# KiCad board lumpen.kicad_pcb (continued)
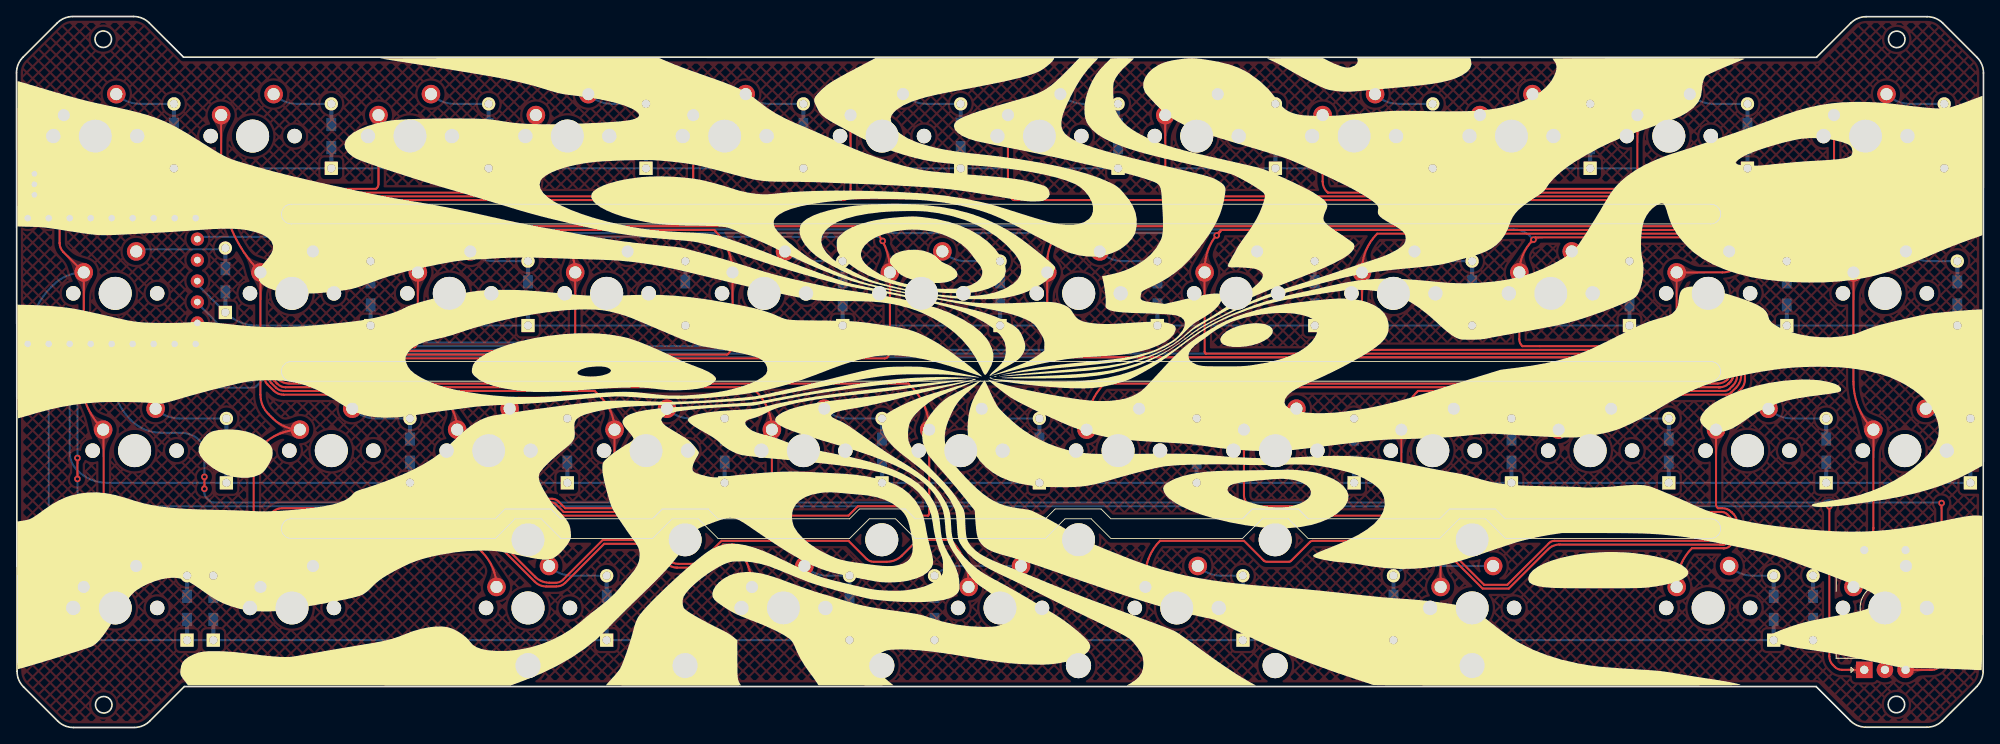
[diagram p0: board, top side]
## Routing (per net, layer and track width the routed paths; a pad name or vN(x,y) marks a point on that pad's centre or on a via; arc(x,y) is an arc through that point) (continued)
COL9: length 309.6
  Top w0.25: 204.1,59.36 204.11,59.35 206.45,59.35 arc(207.14,59.49) 207.72,59.88 208.29,60.44 arc(208.62,60.94) 208.74,61.53 208.74,62.68 arc(208.65,63.13) 208.4,63.51 207.01,64.89 arc(206.64,65.15) 206.19,65.23 177.48,65.23 177.43,65.28 arc(177.24,65.56) 177.17,65.89 MX10.1 ; 204.1,59.36 183.91,59.36 183.54,59 ; 204.1,59.36 206.55,59.36 ; 206.16,46.19 184.41,46.18 182.3,46.18 182.25,46.23 arc(182.02,46.58) 181.94,47 MX22.1 arc(182.35,57.22) 183.54,59 ; v1(183.65,59.08) 183.58,59.01 arc(183.56,59) 183.54,59 ; MX34.1 arc(187.13,38.23) 188.35,40.05 188.6,40.31 206.93,40.31 arc(207.3,40.38) 207.6,40.59 208.17,41.15 arc(208.63,41.85) 208.8,42.68 208.8,43.49 arc(208.67,44.15) 208.29,44.71 208.16,44.84 208.16,44.85 207.34,45.67 arc(206.76,46.06) 206.08,46.19
  Bottom w0.25: v1(183.65,59.08) 183.23,59.5 arc(182.32,60.11) 181.24,60.33 31.56,60.33 arc(31.39,60.36) 31.25,60.45 27.26,64.45 arc(27.18,64.5) 27.09,64.52 19.49,64.52 arc(19.33,64.49) 19.19,64.39 arc(19.09,64.25) 19.06,64.09 19.06,61.89 arc(19.08,61.79) RZ1.16
COL10: length 285.3
  Top w0.25: MX44.1 200.99,17.26 arc(201.47,19.67) 202.83,21.71 206.64,21.71 206.64,21.71 206.78,21.71 arc(207.11,21.77) 207.39,21.96 207.91,22.48 arc(208.2,22.91) 208.3,23.42 208.3,24.78 arc(208.19,25.37) 207.86,25.86 207.64,26.08 ; 207.64,26.08 207.62,26.1 arc(207.11,26.44) 206.51,26.56 205.99,26.56 205.88,26.67 arc(205.78,26.81) 205.75,26.98 MX35.1 205.75,37.72 arc(205.94,38.66) 206.47,39.46 206.5,39.48 arc(206.79,39.68) 207.15,39.75 arc(207.5,39.82) 207.8,40.02 208.8,41.02 arc(209.13,41.52) 209.25,42.11 209.25,43.87 arc(209.15,44.36) 208.87,44.78 207.53,46.12 arc(206.95,46.51) 206.27,46.64 201.27,46.64 201.18,46.74 arc(201.04,46.95) 200.99,47.2 MX23.1 206.52,55.12 arc(207.69,55.35) 208.67,56.01 arc(209.05,56.59) 209.19,57.26 209.19,62.73 arc(209.07,63.32) 208.74,63.81 207.14,65.41 arc(206.84,65.61) 206.49,65.68 196.46,65.68 196.35,65.79 arc(196.26,65.93) 196.22,66.1 MX11.1 ; 207.64,26.08 arc(207.62,26.09) 207.6,26.1
  Bottom w0.25: v1(201.05,46.91) 199.66,45.52 arc(198.9,45.01) 198,44.83 32.75,44.83 arc(32.54,44.79) 32.36,44.67 28.97,41.28 arc(28.82,41.18) 28.66,41.15 14.59,41.15 arc(14.26,41.22) 13.98,41.41 arc(13.89,41.55) 13.85,41.71 13.85,45.95 arc(13.91,46.22) RZ1.6
COL11: length 267.8
  Top w0.25: MX12.1 220.04,60.79 arc(220.65,57.72) MX24.1 222.39,41.9 arc(223.01,38.74) MX36.1 224.8,24.14 arc(224.51,22.7) SW1.S2 223.7,20.18 arc(223.36,18.47) MX45.1
  Bottom w0.25: RZ1.17 arc(16.63,61.74) 16.65,61.8 16.65,64.85 arc(16.68,65.01) 16.77,65.15 arc(17.05,65.34) 17.39,65.41 26.6,65.41 arc(27.21,65.29) 27.73,64.94 31.66,61.01 arc(31.92,60.84) 32.23,60.78 201.11,60.78 arc(201.11,60.78) 201.11,60.78 219.93,60.78 arc(220.02,60.76) v1(220.1,60.71)
RGB: length 9.3
  Bottom w0.25: J1.2 5.84,65.79 arc(6.67,65.62) 7.38,65.15 7.67,64.86 arc(8.64,63.41) RZ1.20
Rotary_A: length 254.7
  Top w0.25: v1(7.38,30.1) v1(7.38,32.64) ; v1(219.47,26.8) 219.47,8.62 arc(219.58,8.05) 219.9,7.57 220.14,7.33 arc(220.53,7.07) 220.98,6.98 SW1.A
  Bottom w0.25: v1(7.38,32.64) 7.38,42.58 arc(7.79,44.67) RZ1.4 ; v1(219.47,26.8) 9.42,26.8 arc(8.59,26.97) 7.88,27.44 arc(7.51,28) 7.38,28.66 v1(7.38,30.1)
Rotary_B: length 260.5
  Top w0.25: v1(233.05,27.18) 233.05,7.98 arc(232.99,7.65) 232.8,7.37 arc(232.37,7.08) 231.86,6.98 231.64,6.98 ; SW1.B 231.64,6.98 ; v1(22.74,30.36) v1(22.74,28.91) ; 231.64,6.98 arc(231.65,6.98) 231.66,6.99
  Bottom w0.25: v1(22.74,30.36) 22.74,33.27 arc(22.58,34.1) 22.11,34.8 arc(21.12,35.46) 19.96,35.69 17.53,35.69 arc(15.54,36.09) 13.85,37.21 arc(12.13,39.8) 11.52,42.84 RZ1.5 ; v1(22.74,28.91) 22.74,28.43 arc(22.81,28.1) 23,27.82 23.38,27.43 arc(23.58,27.3) 23.82,27.25 218.77,27.25 218.83,27.31 arc(219.07,27.47) 219.35,27.53 219.49,27.53 arc(219.86,27.45) 220.17,27.24 232.91,27.24 arc(232.99,27.23) v1(233.05,27.18)
ROW0: length 228.9
  Bottom w0.25: RZ1.19 11.52,66.24 arc(11.66,66.93) 12.05,67.52 arc(12.29,67.68) 12.57,67.73 D1.1 211.15,67.73 ; D34.1 D43.1
ROW1: length 215.3
  Bottom w0.25: D44.1 D39.1 D7.1 29.11,48.68 arc(27.04,49.09) D2.1 22.19,53.37 arc(21.97,53.69) RZ1.12
ROW2: length 245.2
  Bottom w0.25: D45.1 D40.1 D3.1 11,29.63 arc(9.02,30.02) 7.35,31.14 7.34,31.15 arc(6.68,32.15) 6.44,33.32 RZ1.3
ROW3: length 249.3
  Bottom w0.25: 214.32,10.58 D9.1 8.43,10.58 arc(6.48,10.97) 4.84,12.07 arc(4.14,13.1) 3.9,14.32 RZ1.2 ; D41.1 D46.1
Net-(D6-Pad2): length 7.3
  Bottom w0.25: D6.2 33.97,75.53 arc(32.43,75.84) MX2.2
Net-(D7-Pad2): length 7.3
  Bottom w0.25: D7.2 38.74,56.48 arc(37.19,56.79) MX14.2
Net-(D8-Pad2): length 7.3
  Bottom w0.25: D8.2 43.5,37.43 arc(41.96,37.74) MX26.2
Net-(D9-Pad2): length 12.4
  Bottom w0.25: MX38.2 26.67,19.56 arc(25.13,19.25) D9.2
Net-(D13-Pad2): length 7.3
  Bottom w0.25: D13.2 72.07,75.53 arc(70.53,75.84) MX4.2
Net-(D14-Pad2): length 7.3
  Bottom w0.25: D14.2 76.84,56.48 arc(75.29,56.79) MX16.2
Net-(D15-Pad2): length 7.3
  Bottom w0.25: D15.2 81.6,37.43 arc(80.06,37.74) MX28.2
Net-(D20-Pad2): length 5.8
  Bottom w0.25: D20.2 98.24,18.38 arc(96.69,18.69) MX40.2
Net-(D21-Pad2): length 7.3
  Bottom w0.25: D21.2 110.17,75.53 arc(108.63,75.84) 107.32,76.71
Net-(D22-Pad2): length 7.3
  Bottom w0.25: D22.2 114.94,56.48 arc(113.39,56.79) MX18.2
Net-(D23-Pad2): length 7.3
  Bottom w0.25: D23.2 119.7,37.43 arc(118.16,37.74) MX30.2
Net-(D24-Pad2): length 10.8
  Bottom w0.25: MX41.2 113.98,19.56 arc(112.44,19.25) D24.2
Net-(D28-Pad2): length 7.3
  Bottom w0.25: D28.2 148.27,75.53 arc(146.73,75.84) MX8.2
Net-(D29-Pad2): length 7.3
  Bottom w0.25: D29.2 153.04,56.48 arc(151.49,56.79) MX20.2
Net-(D30-Pad2): length 7.3
  Bottom w0.25: D30.2 157.8,37.43 arc(156.26,37.74) MX32.2
Net-(D35-Pad2): length 12.4
  Bottom w0.25: MX43.2 169.55,19.56 arc(168,19.25) D35.2
Net-(D36-Pad2): length 7.3
  Bottom w0.25: D36.2 186.37,75.53 arc(184.83,75.84) MX10.2
Net-(D37-Pad2): length 7.3
  Bottom w0.25: D37.2 191.14,56.48 arc(189.59,56.79) MX22.2
Net-(D38-Pad2): length 7.3
  Bottom w0.25: D38.2 195.9,37.43 arc(194.36,37.74) MX34.2
Net-(D43-Pad2): length 7.3
  Bottom w0.25: D43.2 229.24,75.53 arc(227.69,75.84) MX12.2
Net-(D44-Pad2): length 6.5
  Bottom w0.25: D44.2 231.59,56.48 arc(230.04,56.79) MX24.2
Net-(D45-Pad2): length 5.7
  Bottom w0.25: D45.2 234,37.43 arc(232.46,37.74) MX36.2
Net-(D46-Pad2): length 13.5
  Bottom w0.25: SW1.S1 228.7,19.66 arc(228.71,19.61) MX45.2 220.35,19.56 arc(218.8,19.25) D46.2
Net-(MX1-Pad2): length 7.3
  Bottom w0.25: D1.2 14.92,75.53 arc(13.38,75.84) MX1.2
Net-(MX3-Pad2): length 7.3
  Bottom w0.25: D5.2 53.02,75.53 arc(51.48,75.84) MX3.2
Net-(MX5-Pad2): length 7.3
  Bottom w0.25: D16.2 91.12,75.53 arc(89.58,75.84) MX5.2
Net-(MX7-Pad2): length 7.3
  Bottom w0.25: D19.2 129.22,75.53 arc(127.68,75.84) MX7.2
Net-(MX9-Pad2): length 7.3
  Bottom w0.25: D31.2 167.32,75.53 arc(165.78,75.84) MX9.2
Net-(MX11-Pad2): length 7.3
  Bottom w0.25: D34.2 205.42,75.53 arc(203.88,75.84) 202.57,76.71
Net-(MX13-Pad2): length 11.3
  Bottom w0.25: 14.76,57.93 MX13.2 arc(14.77,57.85) 15.1,57.92 24.91,57.92 arc(25.11,57.96) D2.2
Net-(MX15-Pad2): length 7.3
  Bottom w0.25: D10.2 57.79,56.48 arc(56.24,56.79) MX15.2
Net-(MX17-Pad2): length 7.3
  Bottom w0.25: D17.2 95.89,56.48 arc(94.34,56.79) MX17.2
Net-(MX19-Pad2): length 7.3
  Bottom w0.25: D25.2 133.99,56.48 arc(132.44,56.79) MX19.2
Net-(MX21-Pad2): length 7.3
  Bottom w0.25: D32.2 172.09,56.48 arc(170.54,56.79) MX21.2
Net-(MX23-Pad2): length 7.3
  Bottom w0.25: D39.2 210.19,56.48 arc(208.64,56.79) MX23.2
Net-(MX25-Pad2): length 8.9
  Bottom w0.25: D3.2 19.69,37.43 arc(18.14,37.74) MX25.2
Net-(MX27-Pad2): length 7.3
  Bottom w0.25: D11.2 62.55,37.43 arc(61.01,37.74) MX27.2
Net-(MX29-Pad2): length 7.3
  Bottom w0.25: D18.2 100.65,37.43 arc(99.11,37.74) MX29.2
Net-(MX31-Pad2): length 7.3
  Bottom w0.25: D26.2 138.75,37.43 arc(137.21,37.74) MX31.2
Net-(MX33-Pad2): length 7.3
  Bottom w0.25: D33.2 176.85,37.43 arc(175.31,37.74) MX33.2
Net-(MX35-Pad2): length 7.3
  Bottom w0.25: D40.2 214.95,37.43 arc(213.41,37.74) MX35.2
Net-(MX37-Pad2): length 6.5
  Bottom w0.25: D4.2 17.34,18.38 arc(15.79,18.69) MX37.2
Net-(MX39-Pad2): length 7.3
  Bottom w0.25: D12.2 67.31,18.38 arc(65.77,18.69) MX39.2
Net-(MX42-Pad2): length 5.8
  Bottom w0.25: D27.2 145.86,18.38 arc(144.32,18.69) MX42.2
Net-(MX44-Pad2): length 5.7
  Bottom w0.25: D41.2 210.19,18.38 arc(208.64,18.69) MX44.2

## Copper pours and planes (outline as drawn; the poured copper is in the pictures)
+5V on Bottom: 1.36,63.4 1.29,63.2 1.23,63.03 1.16,62.9 1.1,62.78 1.03,62.67 0.88,62.46 0.81,62.35 0.73,62.21 0.64,62.04 1.36,61.29 2.08,62.04 2,62.19 1.91,62.32 1.82,62.44 1.74,62.54 1.67,62.64 1.61,62.75 1.57,62.86 1.55,62.99 1.56,63.14 1.6,63.33
+5V on Bottom: 1.56,63.2 1.58,63.28 1.61,63.36 1.63,63.43 1.66,63.49 1.68,63.55 1.71,63.6 1.74,63.65 1.77,63.69 1.81,63.73 1.85,63.77 1.89,63.8 1.93,63.83 1.97,63.86 2.02,63.89 2.07,63.92 2.37,64.06 2.33,64.71 1.68,64.64 1.32,63.26
+5V on Bottom: 1.71,64.15 1.62,64.02 1.54,63.89 1.48,63.77 1.42,63.66 1.37,63.56 1.32,63.46 1.28,63.36 1.24,63.27 1.11,62.93 1.07,62.85 1.04,62.76 1,62.67 0.95,62.57 0.9,62.47 0.84,62.37 0.77,62.25 0.69,62.13 1.36,61.29 2.08,62.04 2.03,62.16 1.87,62.47 1.82,62.57 1.78,62.66 1.74,62.75 1.7,62.84 1.68,62.93 1.65,63.01 1.64,63.1 1.63,63.19 1.63,63.28 1.64,63.37 1.66,63.47 1.69,63.57 1.73,63.67 1.78,63.78 1.84,63.89 1.92,64.02
GND on Top: 226.32,8.81 226.35,8.98 226.41,8.92 226.51,8.69 226.63,8.34 226.76,7.94 226.89,7.53 227.01,7.17 227.11,6.92 227.17,6.84 227.2,6.98 226.2,6.48 227.1,7.42 226.86,7.91 226.73,8.18 226.59,8.45 226.46,8.69 226.34,8.89 226.23,9.02 226.15,9.06 226.09,8.99 226.07,8.81
GND on Top: 3.08,66.28 3,66.39 2.93,66.49 2.87,66.58 2.83,66.67 2.8,66.74 2.77,66.82 2.74,66.91 2.68,67.1 2.64,67.22 1.99,67.24 2,66.59 2.12,66.55 2.22,66.52 2.32,66.5 2.4,66.48 2.48,66.45 2.56,66.42 2.64,66.37 2.71,66.31 2.8,66.23 2.88,66.12
GND on Top: 3.37,65.85 2.82,66.77 2.79,66.83 2.76,66.9 2.73,66.97 2.7,67.05 2.67,67.13 2.64,67.22 1.99,67.24 2,66.59 2.38,66.45 2.44,66.43 2.5,66.4 2.56,66.37 2.61,66.34 2.66,66.31 2.71,66.28 2.76,66.24 2.81,66.19 2.86,66.14 2.9,66.09 2.95,66.03 3,65.97 3.05,65.89 3.1,65.81 3.16,65.72
GND on Top, Bottom: 244.24,-5.86 -7.09,-2.05 -5.69,88.75 245.51,89.39
GND on Bottom: 3.69,63.29 3.69,63.1 3.66,62.94 3.62,62.8 3.56,62.69 3.5,62.58 3.43,62.48 3.36,62.38 3.29,62.26 3.22,62.13 3.15,61.97 3.94,61.3 4.58,62.11 4.49,62.25 4.4,62.37 4.31,62.46 4.22,62.55 4.15,62.64 4.08,62.73 4.02,62.84 3.98,62.96 3.95,63.11 3.94,63.29
GND on Bottom: 3.69,63.76 3.69,63.64 3.69,63.52 3.69,63.42 3.68,63.32 3.67,63.23 3.66,63.14 3.65,63.05 3.64,62.97 3.62,62.9 3.6,62.83 3.58,62.76 3.56,62.69 3.53,62.62 3.5,62.56 3.47,62.49 3.43,62.43 3.39,62.37 3.35,62.3 3.3,62.23 3.26,62.16 3.94,61.3 4.44,62.29 4.38,62.34 4.33,62.4 4.28,62.45 4.23,62.5 4.19,62.56 4.16,62.62 4.12,62.68 4.09,62.74 4.07,62.8 4.04,62.87 4.02,62.94 4,63.01 3.99,63.09 3.98,63.17 3.97,63.25 3.96,63.34 3.95,63.44 3.95,63.54 3.95,63.64 3.94,63.76
COL0 on Top: 5.85,70.8 5.85,71.02 5.86,71.22 5.87,71.4 5.89,71.56 5.91,71.72 5.93,71.86 5.96,71.99 5.99,72.12 6.03,72.24 6.07,72.35 6.12,72.47 6.17,72.58 6.23,72.7 6.29,72.81 6.49,73.2 6.57,73.35 6.65,73.51 6.74,73.68 5.72,74.73 4.71,73.68 4.8,73.51 4.88,73.35 4.96,73.2 5.16,72.81 5.22,72.7 5.28,72.58 5.33,72.47 5.37,72.35 5.42,72.24 5.45,72.12 5.49,71.99 5.52,71.86 5.54,71.72 5.56,71.56 5.58,71.4 5.59,71.22 5.6,71.02 5.6,70.8
COL0 on Top: 9.39,18.87 9.25,18.66 9.11,18.51 8.96,18.4 8.81,18.33 8.66,18.28 8.49,18.25 8.31,18.22 8.12,18.19 7.92,18.14 7.7,18.06 7.77,16.6 9.22,16.73 9.28,16.97 9.31,17.19 9.32,17.38 9.32,17.56 9.31,17.73 9.32,17.9 9.34,18.08 9.39,18.28 9.48,18.5 9.6,18.75
COL0 on Top: 10.68,33.82 10.69,34.1 10.73,34.32 10.79,34.5 10.88,34.66 10.97,34.8 11.08,34.93 11.19,35.07 11.31,35.23 11.42,35.42 11.53,35.64 10.46,36.63 9.5,35.52 9.63,35.32 9.76,35.15 9.89,35.01 10.01,34.88 10.12,34.76 10.22,34.62 10.31,34.48 10.37,34.3 10.41,34.09 10.43,33.82
COL0 on Top: 9.86,19.87 9.78,19.69 9.71,19.52 9.63,19.36 9.55,19.23 9.47,19.1 9.38,18.99 9.3,18.9 9.21,18.81 9.11,18.73 9.02,18.66 8.92,18.59 8.81,18.53 8.69,18.47 8.58,18.42 8.45,18.36 8.32,18.31 8.02,18.19 7.86,18.13 7.7,18.06 7.77,16.6 9.22,16.73 9.28,16.92 9.32,17.1 9.36,17.27 9.4,17.42 9.43,17.57 9.55,18.09 9.58,18.21 9.61,18.33 9.64,18.46 9.68,18.59 9.72,18.73 9.76,18.87 9.82,19.03 9.87,19.19 9.94,19.37 10.01,19.57 10.09,19.78
COL0 on Top: 8.99,37.78 9.13,37.53 9.22,37.32 9.27,37.12 9.3,36.94 9.3,36.77 9.31,36.42 9.32,36.23 9.35,36.01 9.4,35.77 10.86,35.65 10.92,37.11 10.7,37.19 10.49,37.24 10.3,37.27 10.12,37.3 9.96,37.33 9.8,37.37 9.65,37.44 9.5,37.54 9.35,37.7 9.21,37.91
COL0 on Top: 10.68,32.7 10.68,32.92 10.69,33.12 10.7,33.3 10.71,33.47 10.73,33.63 10.76,33.77 10.79,33.91 10.82,34.03 10.86,34.15 10.9,34.27 10.95,34.39 11,34.5 11.05,34.62 11.11,34.74 11.24,35 11.3,35.14 11.37,35.29 11.45,35.46 11.53,35.64 10.46,36.63 9.5,35.52 9.6,35.36 9.69,35.21 9.92,34.81 9.99,34.69 10.05,34.57 10.11,34.46 10.16,34.35 10.21,34.24 10.25,34.12 10.29,34 10.32,33.88 10.35,33.75 10.37,33.6 10.39,33.45 10.41,33.29 10.42,33.11 10.42,32.91 10.43,32.7
COL0 on Top: 6.46,56.62 6.64,56.42 6.76,56.24 6.85,56.07 6.9,55.9 6.92,55.73 6.94,55.57 6.95,55.39 6.97,55.2 7.01,54.99 7.07,54.75 8.54,54.72 8.51,56.18 8.27,56.25 8.06,56.29 7.87,56.31 7.69,56.32 7.52,56.34 7.36,56.36 7.19,56.41 7.02,56.49 6.84,56.62 6.64,56.8
COL0 on Top: 8.26,52.88 8.28,53.14 8.32,53.36 8.38,53.54 8.47,53.69 8.56,53.83 8.67,53.96 8.79,54.09 8.91,54.24 9.03,54.42 9.15,54.63 8.14,55.68 7.12,54.63 7.24,54.42 7.36,54.24 7.48,54.09 7.6,53.96 7.71,53.83 7.81,53.69 7.89,53.54 7.96,53.36 8,53.14 8.01,52.88
COL0 on Top: 8.46,38.79 8.56,38.58 8.64,38.39 8.71,38.21 8.77,38.05 8.83,37.9 8.88,37.75 8.93,37.62 8.97,37.49 9,37.36 9.03,37.24 9.07,37.12 9.1,37 9.22,36.46 9.26,36.31 9.3,36.14 9.35,35.96 9.4,35.77 10.86,35.65 10.92,37.11 10.75,37.18 10.59,37.24 10.3,37.36 10.16,37.41 10.03,37.46 9.91,37.52 9.8,37.57 9.69,37.63 9.59,37.69 9.49,37.76 9.39,37.84 9.3,37.93 9.21,38.02 9.12,38.13 9.04,38.25 8.95,38.39 8.86,38.54 8.78,38.7 8.69,38.89
COL0 on Top: 5.67,57.42 5.82,57.26 5.95,57.12 6.07,56.98 6.18,56.85 6.27,56.73 6.36,56.61 6.43,56.49 6.5,56.38 6.55,56.27 6.61,56.16 6.65,56.04 6.7,55.93 6.74,55.81 6.78,55.68 6.91,55.26 6.96,55.1 7.01,54.93 7.07,54.75 8.54,54.72 8.51,56.18 8.32,56.25 8.15,56.3 8,56.35 7.58,56.48 7.45,56.52 7.33,56.56 7.21,56.61 7.1,56.65 6.99,56.71 6.88,56.76 6.76,56.83 6.65,56.9 6.53,56.98 6.41,57.08 6.28,57.19 6.14,57.31 6,57.44 5.84,57.59
COL0 on Top: 8.26,51.75 8.26,51.97 8.27,52.17 8.28,52.35 8.3,52.51 8.32,52.67 8.34,52.81 8.37,52.94 8.41,53.07 8.45,53.19 8.49,53.3 8.53,53.42 8.59,53.53 8.64,53.65 8.7,53.76 8.91,54.15 8.98,54.3 9.06,54.46 9.15,54.63 8.14,55.68 7.12,54.63 7.21,54.46 7.29,54.3 7.37,54.15 7.57,53.76 7.63,53.65 7.69,53.53 7.74,53.42 7.79,53.3 7.83,53.19 7.87,53.07 7.9,52.94 7.93,52.81 7.96,52.67 7.98,52.51 7.99,52.35 8,52.17 8.01,51.97 8.01,51.75
COL0 on Top: 5.85,71.93 5.86,72.19 5.91,72.41 5.97,72.59 6.05,72.74 6.15,72.88 6.26,73.01 6.38,73.14 6.5,73.29 6.62,73.47 6.74,73.68 5.72,74.73 4.71,73.68 4.83,73.47 4.95,73.29 5.07,73.14 5.19,73.01 5.3,72.88 5.4,72.74 5.48,72.59 5.54,72.41 5.58,72.19 5.6,71.93
COL0 on Bottom: 1.53,48.86 1.49,48.71 1.46,48.57 1.42,48.44 1.38,48.32 1.35,48.21 1.31,48.11 1.28,48.02 1.24,47.93 1.2,47.85 1.17,47.77 1.13,47.69 1.09,47.61 0.72,46.95 0.66,46.83 1.35,46.05 2.1,46.77 2.04,46.89 1.86,47.3 1.82,47.39 1.79,47.47 1.76,47.56 1.73,47.64 1.71,47.72 1.69,47.81 1.68,47.89 1.67,47.99 1.67,48.08 1.67,48.18 1.68,48.29 1.69,48.4 1.71,48.52 1.74,48.66 1.78,48.8
COL0 on Bottom: 6,54.53 6.23,54.61 6.43,54.65 6.6,54.65 6.76,54.61 6.91,54.54 7.05,54.45 7.2,54.35 7.36,54.25 7.55,54.15 7.76,54.06 8.7,55.18 7.54,56.08 7.33,55.93 7.16,55.79 7.02,55.65 6.9,55.52 6.78,55.39 6.66,55.27 6.53,55.14 6.36,55.01 6.16,54.89 5.9,54.75
COL0 on Bottom: 1.37,48.07 1.33,47.88 1.28,47.72 1.22,47.59 1.15,47.49 1.08,47.39 1,47.3 0.92,47.21 0.83,47.11 0.75,46.98 0.66,46.83 1.35,46.05 2.1,46.77 2.02,46.92 1.94,47.05 1.87,47.16 1.79,47.26 1.73,47.35 1.67,47.46 1.63,47.57 1.6,47.69 1.6,47.84 1.62,48.03
COL0 on Bottom: 5.06,53.96 5.22,54.08 5.37,54.18 5.51,54.26 5.65,54.33 5.78,54.38 5.91,54.42 6.03,54.45 6.15,54.47 6.27,54.47 6.39,54.47 6.51,54.46 6.63,54.44 6.76,54.41 6.88,54.37 7.01,54.33 7.15,54.28 7.29,54.23 7.59,54.12 7.76,54.06 8.7,55.18 7.46,56.02 7.3,55.9 7.15,55.79 7.01,55.69 6.89,55.59 5.68,54.74 5.55,54.64 5.41,54.54 5.26,54.42 5.09,54.3 4.91,54.16
COL1 on Top: 32.13,35.56 32.37,35.63 32.58,35.66 32.75,35.64 32.91,35.59 33.05,35.52 33.2,35.43 33.34,35.33 33.5,35.22 33.69,35.11 33.9,35.02 34.86,36.12 33.72,37.04 33.51,36.9 33.34,36.76 33.2,36.63 33.07,36.5 32.95,36.37 32.83,36.25 32.69,36.13 32.52,36.02 32.31,35.91 32.05,35.8
COL1 on Top: 29.66,51.75 29.66,51.96 29.67,52.16 29.68,52.34 29.69,52.51 29.71,52.66 29.74,52.81 29.77,52.94 29.8,53.06 29.84,53.18 29.88,53.3 29.93,53.41 29.98,53.53 30.03,53.64 30.09,53.76 30.16,53.88 30.3,54.15 30.38,54.29 30.46,54.45 30.55,54.63 29.54,55.68 28.52,54.64 28.61,54.46 28.69,54.3 28.76,54.15 28.97,53.76 29.03,53.65 29.08,53.53 29.13,53.42 29.18,53.3 29.22,53.19 29.26,53.07 29.3,52.94 29.32,52.81 29.35,52.66 29.37,52.51 29.39,52.34 29.4,52.16 29.4,51.96 29.41,51.75
COL1 on Top: 29.66,52.87 29.67,53.14 29.71,53.36 29.78,53.54 29.86,53.69 29.96,53.82 30.07,53.95 30.19,54.09 30.31,54.24 30.43,54.41 30.55,54.63 29.54,55.68 28.52,54.64 28.64,54.42 28.76,54.24 28.88,54.09 29,53.96 29.11,53.83 29.2,53.69 29.29,53.54 29.35,53.36 29.39,53.14 29.41,52.87
COL1 on Top: 24.9,71.93 24.91,72.19 24.96,72.41 25.02,72.59 25.1,72.74 25.2,72.88 25.31,73.01 25.43,73.14 25.55,73.29 25.67,73.47 25.79,73.68 24.77,74.73 23.76,73.68 23.88,73.47 24,73.29 24.12,73.14 24.24,73.01 24.35,72.88 24.45,72.74 24.53,72.59 24.59,72.41 24.63,72.19 24.65,71.93
COL1 on Top: 31.13,37.17 31.3,37.02 31.45,36.88 31.59,36.76 31.73,36.66 31.85,36.56 31.97,36.47 32.08,36.38 32.18,36.3 32.59,36.01 32.69,35.94 32.79,35.86 32.9,35.78 33.01,35.69 33.13,35.59 33.26,35.49 33.4,35.37 33.55,35.24 34.86,36 33.94,37.14 33.47,36.97 33.33,36.93 33.19,36.89 33.06,36.85 32.93,36.82 32.81,36.79 32.69,36.78 32.57,36.77 32.45,36.77 32.33,36.78 32.21,36.81 32.09,36.84 31.97,36.89 31.84,36.95 31.71,37.03 31.58,37.12 31.44,37.23 31.3,37.35
COL1 on Top: 27.96,56.75 28.11,56.52 28.22,56.31 28.29,56.13 28.32,55.96 28.34,55.79 28.35,55.62 28.35,55.44 28.37,55.24 28.4,55.03 28.46,54.79 29.92,54.71 29.94,56.17 29.71,56.25 29.51,56.29 29.32,56.32 29.14,56.34 28.97,56.36 28.81,56.4 28.65,56.46 28.49,56.56 28.33,56.7 28.16,56.9
COL1 on Top: 32.07,36.5 32.33,36.36 32.53,36.22 32.69,36.08 32.82,35.95 32.94,35.82 33.05,35.69 33.17,35.55 33.31,35.42 33.48,35.28 33.69,35.13 34.86,36 33.94,37.14 33.73,37.05 33.54,36.95 33.38,36.85 33.22,36.76 33.08,36.68 32.93,36.61 32.78,36.58 32.61,36.58 32.41,36.63 32.19,36.72
COL1 on Top: 24.9,70.8 24.9,71.02 24.91,71.22 24.92,71.4 24.94,71.56 24.96,71.72 24.98,71.86 25.01,71.99 25.04,72.12 25.08,72.24 25.12,72.35 25.17,72.47 25.22,72.58 25.28,72.7 25.34,72.81 25.54,73.2 25.62,73.35 25.7,73.51 25.79,73.68 24.77,74.73 23.76,73.68 23.85,73.51 23.93,73.35 24.01,73.2 24.21,72.81 24.27,72.7 24.33,72.58 24.38,72.47 24.42,72.35 24.47,72.24 24.5,72.12 24.54,71.99 24.57,71.86 24.59,71.72 24.61,71.56 24.63,71.4 24.64,71.22 24.65,71.02 24.65,70.8
COL1 on Top: 28.59,19.06 28.58,18.78 28.57,18.54 28.55,18.34 28.53,18.16 28.47,17.83 28.45,17.67 28.43,17.48 28.42,17.27 28.41,17.02 29.85,16.55 30.11,17.99 29.92,18.09 29.73,18.16 29.39,18.29 29.24,18.35 29.1,18.43 28.99,18.53 28.91,18.66 28.85,18.83 28.84,19.06
COL1 on Top: 28.59,20.18 28.59,19.95 28.58,19.75 28.58,19.55 28.57,19.38 28.56,19.22 28.55,19.07 28.54,18.92 28.53,18.79 28.46,18.16 28.45,18.02 28.44,17.88 28.43,17.74 28.42,17.58 28.42,17.41 28.41,17.22 28.41,17.02 29.85,16.55 30.11,17.99 29.97,18.07 29.84,18.16 29.72,18.24 29.61,18.32 29.5,18.4 29.41,18.48 29.32,18.56 29.24,18.64 29.17,18.73 29.11,18.82 29.05,18.92 29.01,19.03 28.96,19.14 28.93,19.26 28.9,19.38 28.88,19.52 28.86,19.67 28.85,19.83 28.84,20 28.84,20.18
COL1 on Top: 31.14,35.1 31.31,35.19 31.47,35.27 31.63,35.34 31.77,35.4 31.91,35.44 32.04,35.47 32.17,35.49 32.29,35.49 32.42,35.49 32.54,35.48 32.66,35.46 32.78,35.43 32.9,35.4 33.02,35.36 33.15,35.31 33.29,35.26 33.73,35.08 33.9,35.02 34.86,36.12 33.72,37.04 33.55,36.93 33.39,36.83 33.24,36.74 33.1,36.65 32.98,36.57 32.86,36.49 32.21,36.06 32.1,35.98 31.98,35.9 31.85,35.82 31.71,35.73 31.56,35.64 31.39,35.54 31.21,35.43 31.01,35.31
COL1 on Top: 27.31,57.67 27.43,57.49 27.53,57.31 27.63,57.15 27.71,57 27.79,56.86 27.85,56.73 27.91,56.6 27.96,56.48 28.01,56.36 28.05,56.24 28.09,56.12 28.12,56 28.16,55.88 28.27,55.47 28.31,55.32 28.35,55.15 28.4,54.98 28.46,54.79 29.92,54.71 29.94,56.17 29.77,56.24 29.6,56.3 29.16,56.45 29.04,56.5 28.91,56.55 28.8,56.6 28.68,56.65 28.57,56.71 28.47,56.77 28.37,56.84 28.27,56.92 28.16,57 28.06,57.1 27.96,57.21 27.85,57.34 27.75,57.48 27.63,57.64 27.52,57.81
COL1 on Bottom: 13.94,64.08 13.94,63.93 13.93,63.79 13.92,63.66 13.91,63.54 13.9,63.43 13.89,63.33 13.87,63.24 13.85,63.15 13.82,63.06 13.79,62.98 13.76,62.9 13.73,62.82 13.69,62.74 13.65,62.65 13.4,62.16 13.34,62.04 14.06,61.29 14.78,62.04 14.72,62.16 14.47,62.65 14.43,62.74 14.4,62.82 14.36,62.9 14.33,62.98 14.3,63.06 14.28,63.15 14.26,63.24 14.24,63.33 14.22,63.43 14.21,63.54 14.2,63.66 14.19,63.79 14.19,63.93 14.19,64.08
COL1 on Bottom: 13.94,63.28 13.93,63.1 13.9,62.94 13.86,62.82 13.8,62.71 13.74,62.61 13.67,62.52 13.59,62.42 13.51,62.32 13.42,62.19 13.34,62.04 14.06,61.29 14.78,62.04 14.7,62.19 14.62,62.32 14.54,62.42 14.46,62.52 14.39,62.61 14.32,62.71 14.27,62.82 14.22,62.94 14.2,63.1 14.19,63.28
COL2 on Top: 43.95,70.8 43.95,71.02 43.96,71.22 43.97,71.4 43.99,71.56 44.01,71.72 44.03,71.86 44.06,71.99 44.09,72.12 44.13,72.24 44.17,72.35 44.22,72.47 44.27,72.58 44.33,72.7 44.39,72.81 44.59,73.2 44.67,73.35 44.75,73.51 44.84,73.68 43.82,74.73 42.81,73.68 42.9,73.51 42.98,73.35 43.06,73.2 43.26,72.81 43.32,72.7 43.38,72.58 43.43,72.47 43.47,72.35 43.52,72.24 43.55,72.12 43.59,71.99 43.62,71.86 43.64,71.72 43.66,71.56 43.68,71.4 43.69,71.22 43.7,71.02 43.7,70.8
COL2 on Top: 43.95,71.93 43.96,72.19 44.01,72.41 44.07,72.59 44.15,72.74 44.25,72.88 44.36,73.01 44.48,73.14 44.6,73.29 44.72,73.47 44.84,73.68 43.82,74.73 42.81,73.68 42.93,73.47 43.05,73.29 43.17,73.14 43.29,73.01 43.4,72.88 43.5,72.74 43.58,72.59 43.64,72.41 43.68,72.19 43.7,71.93
COL2 on Top: 48,57.26 48.08,57.03 48.12,56.83 48.11,56.66 48.07,56.5 48.01,56.35 47.92,56.21 47.82,56.06 47.72,55.9 47.62,55.71 47.53,55.5 48.65,54.56 49.54,55.72 49.4,55.93 49.26,56.1 49.12,56.24 48.99,56.36 48.86,56.48 48.73,56.6 48.61,56.73 48.48,56.9 48.35,57.1 48.22,57.36
COL2 on Top: 52.77,38.21 52.86,37.98 52.89,37.78 52.88,37.61 52.84,37.45 52.77,37.31 52.69,37.16 52.59,37.01 52.48,36.85 52.38,36.67 52.29,36.45 53.41,35.51 54.31,36.66 54.16,36.88 54.02,37.05 53.89,37.19 53.76,37.31 53.63,37.43 53.5,37.55 53.38,37.68 53.25,37.85 53.13,38.05 53,38.31
COL2 on Top: 52.23,39.16 52.34,39 52.43,38.85 52.51,38.71 52.58,38.57 52.63,38.43 52.67,38.31 52.69,38.18 52.71,38.06 52.71,37.94 52.71,37.82 52.7,37.7 52.67,37.58 52.64,37.46 52.61,37.33 52.57,37.2 52.52,37.06 52.47,36.92 52.35,36.62 52.29,36.45 53.41,35.51 54.26,36.73 52.43,39.31
COL2 on Top: 47.44,58.2 47.55,58.04 47.65,57.89 47.73,57.75 47.8,57.61 47.85,57.48 47.89,57.35 47.92,57.23 47.93,57.11 47.94,56.99 47.94,56.87 47.92,56.75 47.9,56.63 47.87,56.5 47.84,56.38 47.8,56.25 47.75,56.11 47.7,55.97 47.59,55.67 47.53,55.5 48.65,54.56 49.49,55.8 49.37,55.96 49.26,56.11 49.16,56.24 48.11,57.71 48.01,57.85 47.9,58 47.77,58.17 47.64,58.35
COL2 on Top: 48.71,51.75 48.71,51.97 48.72,52.17 48.73,52.35 48.75,52.51 48.77,52.67 48.79,52.81 48.82,52.94 48.86,53.07 48.89,53.19 48.94,53.3 48.98,53.42 49.04,53.53 49.09,53.65 49.15,53.76 49.36,54.15 49.43,54.3 49.51,54.46 49.6,54.63 48.59,55.68 47.57,54.63 47.66,54.46 47.74,54.3 47.82,54.15 48.02,53.76 48.08,53.65 48.14,53.53 48.19,53.42 48.24,53.3 48.28,53.19 48.32,53.07 48.35,52.94 48.38,52.81 48.41,52.67 48.43,52.51 48.44,52.35 48.45,52.17 48.46,51.97 48.46,51.75
COL2 on Top: 48.71,52.88 48.73,53.14 48.77,53.36 48.83,53.54 48.91,53.69 49.01,53.83 49.12,53.96 49.24,54.09 49.36,54.24 49.48,54.42 49.6,54.63 48.59,55.68 47.57,54.63 47.69,54.42 47.81,54.24 47.93,54.09 48.05,53.96 48.16,53.83 48.26,53.69 48.34,53.54 48.41,53.36 48.45,53.14 48.46,52.88
COL2 on Bottom: 23.61,49.86 23.51,49.97 23.41,50.06 23.33,50.16 23.25,50.25 23.18,50.33 23.12,50.41 23.07,50.49 23.02,50.57 22.98,50.65 22.94,50.72 22.91,50.8 22.88,50.88 22.85,50.96 22.82,51.05 22.8,51.14 22.78,51.24 22.67,51.71 21.64,51.85 21.54,50.81 21.67,50.75 21.79,50.7 21.9,50.65 22.36,50.46 22.44,50.42 22.52,50.38 22.6,50.34 22.68,50.29 22.76,50.25 22.85,50.19 22.93,50.13 23.02,50.06 23.11,49.98 23.21,49.89 23.32,49.79 23.43,49.68
COL2 on Bottom: 23.04,50.42 22.92,50.56 22.84,50.68 22.78,50.8 22.75,50.91 22.73,51.03 22.72,51.14 22.72,51.26 22.72,51.4 22.7,51.54 22.67,51.71 21.64,51.85 21.54,50.81 21.7,50.74 21.85,50.7 21.98,50.67 22.23,50.62 22.35,50.59 22.46,50.54 22.59,50.48 22.72,50.38 22.87,50.25
COL3 on Top: 63,71.93 63.01,72.19 63.06,72.41 63.12,72.59 63.2,72.74 63.3,72.88 63.41,73.01 63.53,73.14 63.65,73.29 63.77,73.47 63.89,73.68 62.87,74.73 61.86,73.68 61.98,73.47 62.1,73.29 62.22,73.14 62.34,73.01 62.45,72.88 62.55,72.74 62.63,72.59 62.69,72.41 62.73,72.19 62.75,71.93
COL3 on Top: 57.08,20.16 57.18,19.99 57.27,19.83 57.34,19.68 57.4,19.54 57.44,19.4 57.48,19.27 57.5,19.14 57.51,19.02 57.51,18.9 57.5,18.78 57.48,18.66 57.46,18.54 57.43,18.42 57.39,18.29 57.34,18.16 57.29,18.03 57.24,17.89 57.12,17.58 57.06,17.41 58.16,16.46 59.06,17.62 58.95,17.8 58.85,17.95 58.76,18.1 58.67,18.23 58.58,18.36 57.91,19.35 57.82,19.47 57.73,19.61 57.63,19.76 57.52,19.92 57.41,20.1 57.29,20.29
COL3 on Top: 57.58,19.18 57.65,18.94 57.68,18.74 57.67,18.56 57.62,18.41 57.55,18.26 57.46,18.12 57.36,17.97 57.25,17.81 57.15,17.63 57.06,17.41 58.16,16.46 59.07,17.6 58.93,17.82 58.79,17.99 58.66,18.13 58.53,18.25 58.4,18.37 58.28,18.49 58.16,18.63 58.04,18.8 57.92,19.01 57.81,19.27
COL3 on Top: 71.29,39.17 71.4,39.01 71.49,38.85 71.57,38.71 71.64,38.57 71.69,38.44 71.72,38.31 71.75,38.18 71.77,38.06 71.77,37.94 71.76,37.82 71.75,37.7 71.73,37.58 71.7,37.46 71.66,37.33 71.62,37.2 71.57,37.07 71.52,36.92 71.4,36.62 71.34,36.46 72.46,35.51 73.32,36.72 71.49,39.31
COL3 on Top: 72.52,32.7 72.53,32.92 72.53,33.12 72.54,33.3 72.56,33.46 72.58,33.62 72.61,33.76 72.64,33.89 72.67,34.02 72.71,34.14 72.75,34.25 72.8,34.37 72.85,34.48 72.9,34.6 72.96,34.71 73.17,35.1 73.25,35.25 73.33,35.41 73.41,35.58 72.4,36.63 71.39,35.58 71.47,35.41 71.55,35.25 71.63,35.1 71.84,34.71 71.9,34.6 71.95,34.48 72,34.37 72.05,34.25 72.09,34.14 72.13,34.02 72.16,33.89 72.19,33.76 72.22,33.62 72.24,33.46 72.25,33.3 72.27,33.12 72.27,32.92 72.27,32.7
COL3 on Top: 72.52,33.83 72.54,34.09 72.58,34.31 72.64,34.49 72.73,34.64 72.83,34.78 72.94,34.91 73.05,35.04 73.17,35.19 73.29,35.37 73.41,35.58 72.4,36.63 71.39,35.58 71.5,35.37 71.63,35.19 71.75,35.04 71.86,34.91 71.97,34.78 72.07,34.64 72.15,34.49 72.22,34.31 72.26,34.09 72.27,33.83
COL3 on Top: 63,70.8 63,71.02 63.01,71.22 63.02,71.4 63.04,71.56 63.06,71.72 63.08,71.86 63.11,71.99 63.14,72.12 63.18,72.24 63.22,72.35 63.27,72.47 63.32,72.58 63.38,72.7 63.44,72.81 63.64,73.2 63.72,73.35 63.8,73.51 63.89,73.68 62.87,74.73 61.86,73.68 61.95,73.51 62.03,73.35 62.11,73.2 62.31,72.81 62.37,72.7 62.43,72.58 62.48,72.47 62.52,72.35 62.57,72.24 62.6,72.12 62.64,71.99 62.67,71.86 62.69,71.72 62.71,71.56 62.73,71.4 62.74,71.22 62.75,71.02 62.75,70.8
